# KiCad board panel.opm-inline.kicad_pcb (continued)
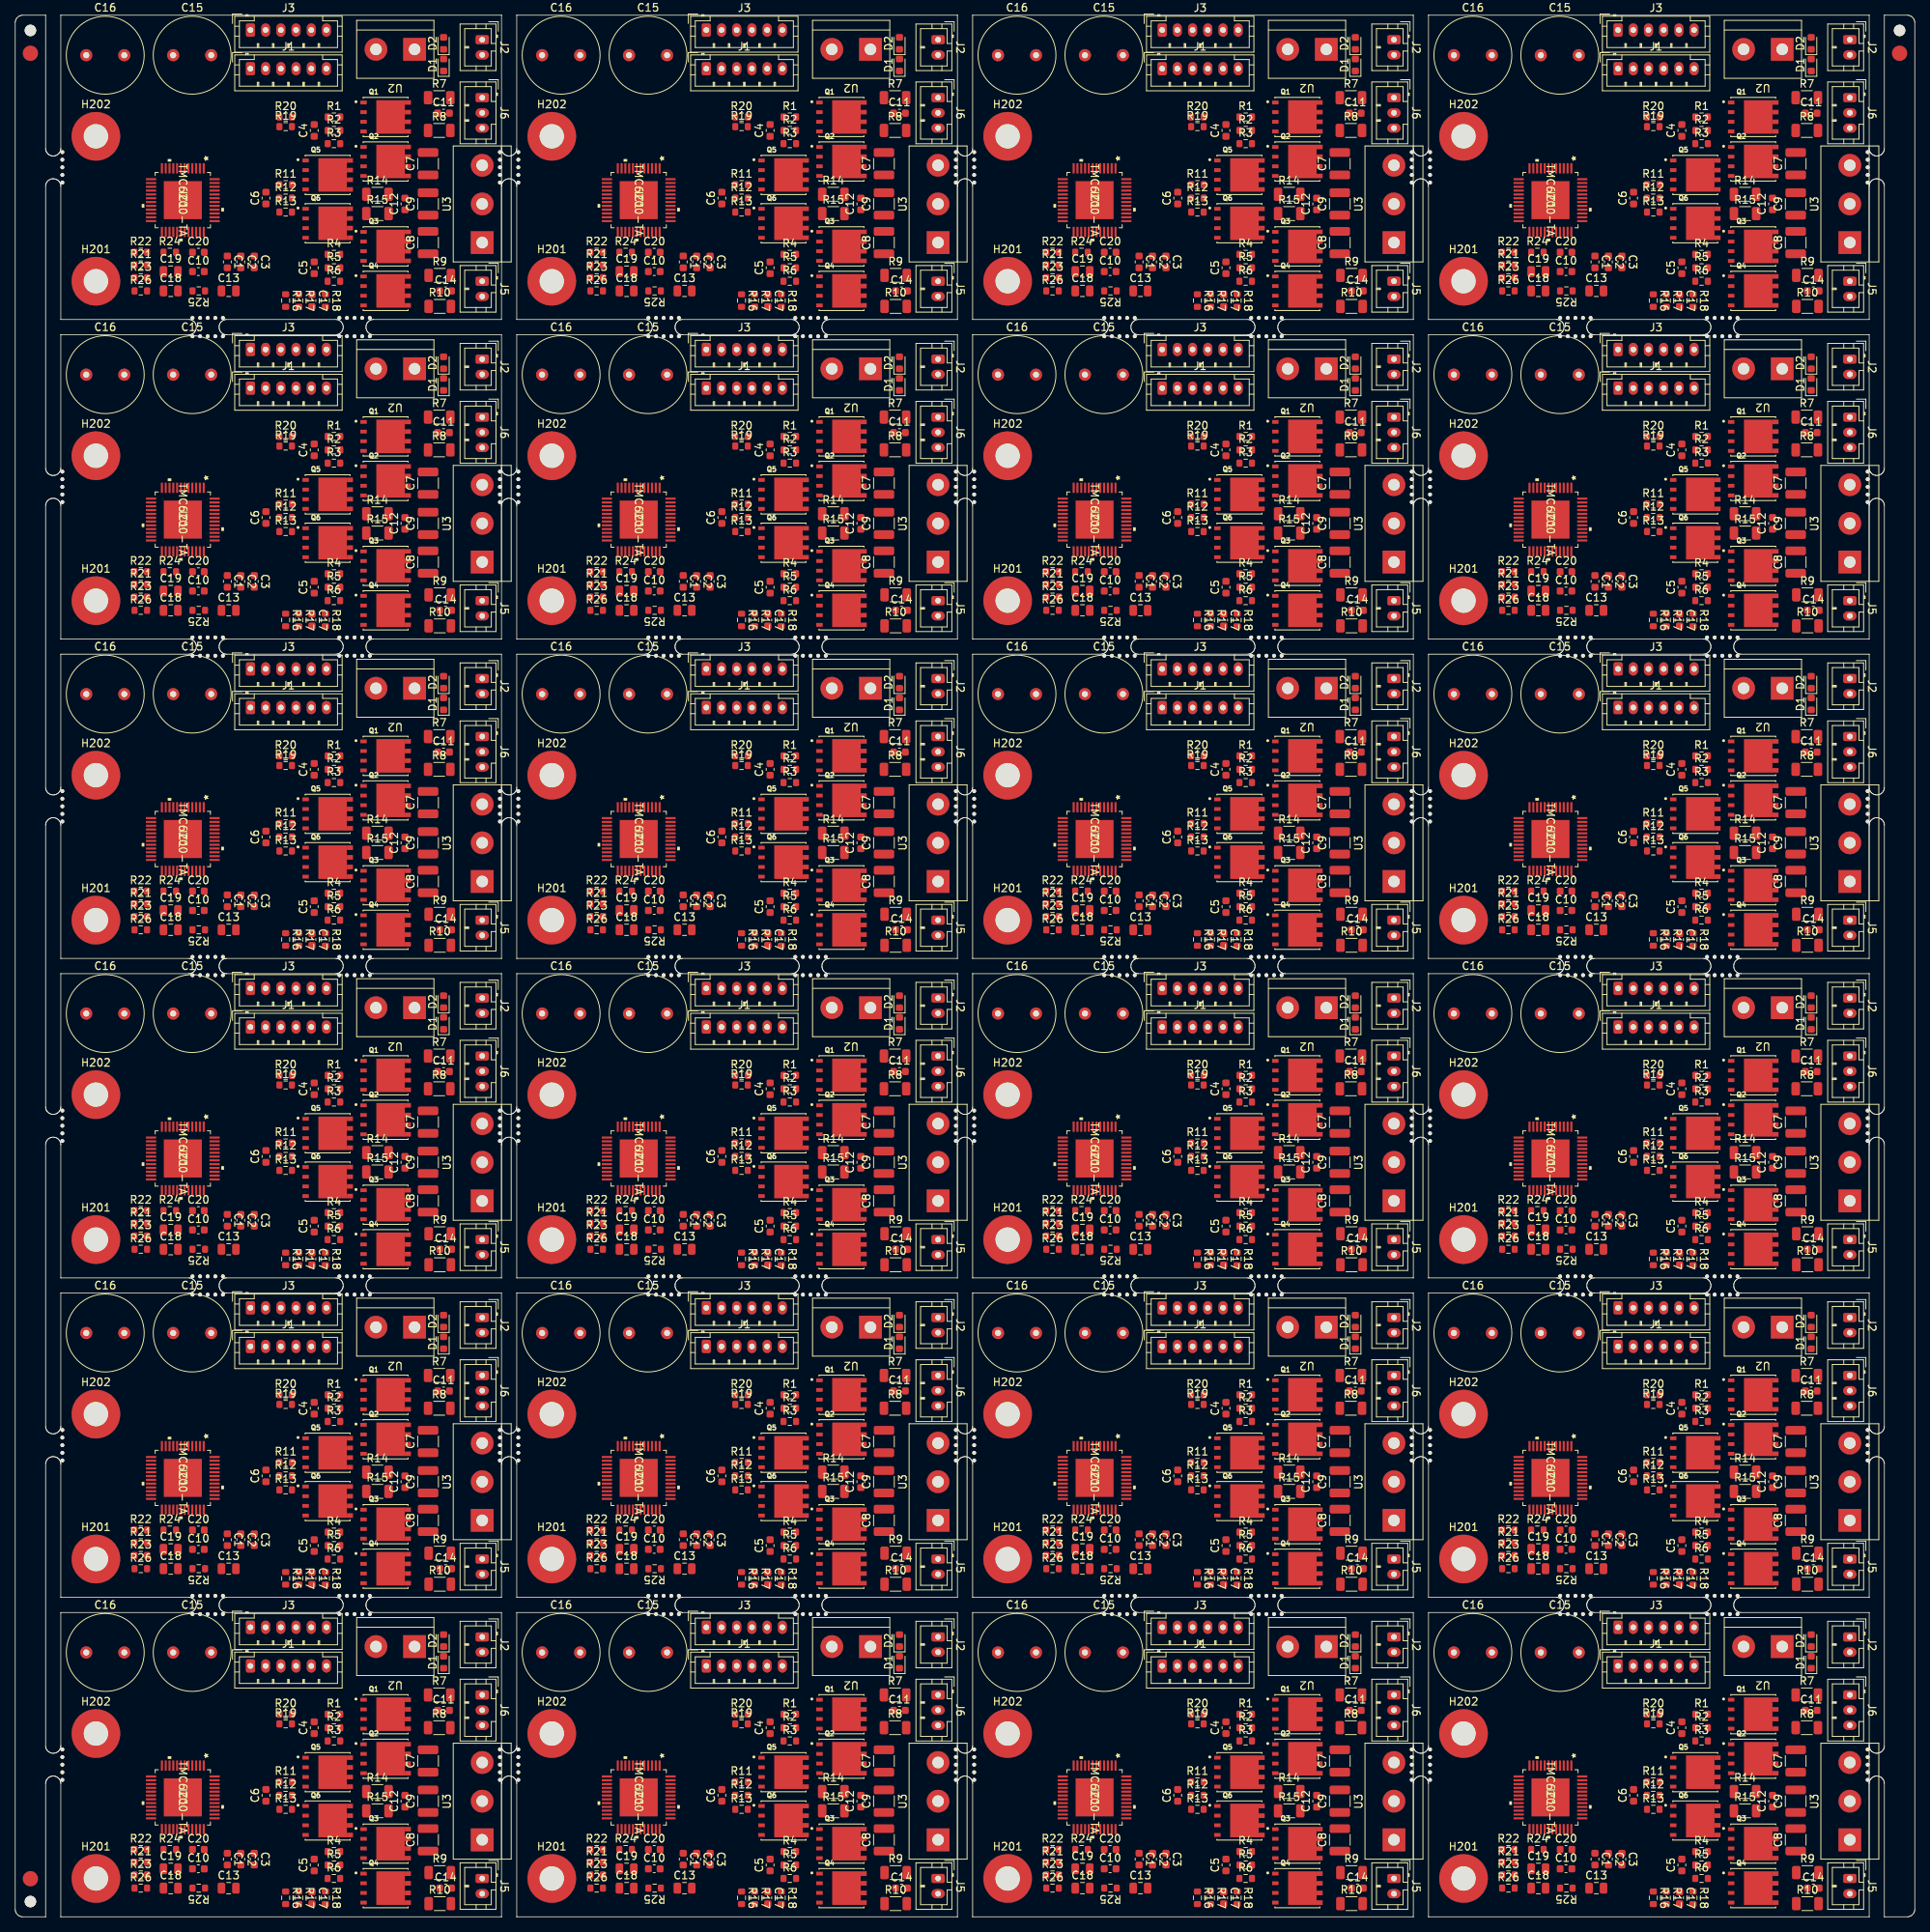
[diagram p0: board, top side]
## Placement (name value [footprint] x y rotation side) (continued)
C13#11  2,2uF/50V  [C_0805_2012Metric]  147.97 129.74 0 top
C13#12  2,2uF/50V  [C_0805_2012Metric]  207.92 129.74 0 top
C13#13  2,2uF/50V  [C_0805_2012Metric]  28.07 87.75 0 top
C13#14  2,2uF/50V  [C_0805_2012Metric]  88.02 87.75 0 top
C13#15  2,2uF/50V  [C_0805_2012Metric]  147.97 87.75 0 top
C13#16  2,2uF/50V  [C_0805_2012Metric]  207.92 87.75 0 top
C13#17  2,2uF/50V  [C_0805_2012Metric]  28.07 45.76 0 top
C13#18  2,2uF/50V  [C_0805_2012Metric]  88.02 45.76 0 top
C13#19  2,2uF/50V  [C_0805_2012Metric]  147.97 45.76 0 top
C13#20  2,2uF/50V  [C_0805_2012Metric]  207.92 45.76 0 top
C13#21  2,2uF/50V  [C_0805_2012Metric]  28.07 3.77 0 top
C13#22  2,2uF/50V  [C_0805_2012Metric]  88.02 3.77 0 top
C13#23  2,2uF/50V  [C_0805_2012Metric]  147.97 3.77 0 top
C13#24  2,2uF/50V  [C_0805_2012Metric]  207.92 3.77 0 top
C14  1nF/100V  [C_0603_1608Metric]  56.61 213.72 0 top
C14#2  1nF/100V  [C_0603_1608Metric]  116.56 213.72 0 top
C14#3  1nF/100V  [C_0603_1608Metric]  176.51 213.72 0 top
C14#4  1nF/100V  [C_0603_1608Metric]  236.46 213.72 0 top
C14#5  1nF/100V  [C_0603_1608Metric]  56.61 171.73 0 top
C14#6  1nF/100V  [C_0603_1608Metric]  116.56 171.73 0 top
C14#7  1nF/100V  [C_0603_1608Metric]  176.51 171.73 0 top
C14#8  1nF/100V  [C_0603_1608Metric]  236.46 171.73 0 top
C14#9  1nF/100V  [C_0603_1608Metric]  56.61 129.74 0 top
C14#10  1nF/100V  [C_0603_1608Metric]  116.56 129.74 0 top
C14#11  1nF/100V  [C_0603_1608Metric]  176.51 129.74 0 top
C14#12  1nF/100V  [C_0603_1608Metric]  236.46 129.74 0 top
C14#13  1nF/100V  [C_0603_1608Metric]  56.61 87.75 0 top
C14#14  1nF/100V  [C_0603_1608Metric]  116.56 87.75 0 top
C14#15  1nF/100V  [C_0603_1608Metric]  176.51 87.75 0 top
C14#16  1nF/100V  [C_0603_1608Metric]  236.46 87.75 0 top
C14#17  1nF/100V  [C_0603_1608Metric]  56.61 45.76 0 top
C14#18  1nF/100V  [C_0603_1608Metric]  116.56 45.76 0 top
C14#19  1nF/100V  [C_0603_1608Metric]  176.51 45.76 0 top
C14#20  1nF/100V  [C_0603_1608Metric]  236.46 45.76 0 top
C14#21  1nF/100V  [C_0603_1608Metric]  56.61 3.77 0 top
C14#22  1nF/100V  [C_0603_1608Metric]  116.56 3.77 0 top
C14#23  1nF/100V  [C_0603_1608Metric]  176.51 3.77 0 top
C14#24  1nF/100V  [C_0603_1608Metric]  236.46 3.77 0 top
C15  330uF/63V  [C_Radial_D10.0mm_H20.0mm_P5.00mm]  20.77 244.7 0 top
C15#2  330uF/63V  [C_Radial_D10.0mm_H20.0mm_P5.00mm]  80.72 244.7 0 top
C15#3  330uF/63V  [C_Radial_D10.0mm_H20.0mm_P5.00mm]  140.67 244.7 0 top
C15#4  330uF/63V  [C_Radial_D10.0mm_H20.0mm_P5.00mm]  200.62 244.7 0 top
C15#5  330uF/63V  [C_Radial_D10.0mm_H20.0mm_P5.00mm]  20.77 202.71 0 top
C15#6  330uF/63V  [C_Radial_D10.0mm_H20.0mm_P5.00mm]  80.72 202.71 0 top
C15#7  330uF/63V  [C_Radial_D10.0mm_H20.0mm_P5.00mm]  140.67 202.71 0 top
C15#8  330uF/63V  [C_Radial_D10.0mm_H20.0mm_P5.00mm]  200.62 202.71 0 top
C15#9  330uF/63V  [C_Radial_D10.0mm_H20.0mm_P5.00mm]  20.77 160.72 0 top
C15#10  330uF/63V  [C_Radial_D10.0mm_H20.0mm_P5.00mm]  80.72 160.72 0 top
C15#11  330uF/63V  [C_Radial_D10.0mm_H20.0mm_P5.00mm]  140.67 160.72 0 top
C15#12  330uF/63V  [C_Radial_D10.0mm_H20.0mm_P5.00mm]  200.62 160.72 0 top
C15#13  330uF/63V  [C_Radial_D10.0mm_H20.0mm_P5.00mm]  20.77 118.73 0 top
C15#14  330uF/63V  [C_Radial_D10.0mm_H20.0mm_P5.00mm]  80.72 118.73 0 top
C15#15  330uF/63V  [C_Radial_D10.0mm_H20.0mm_P5.00mm]  140.67 118.73 0 top
C15#16  330uF/63V  [C_Radial_D10.0mm_H20.0mm_P5.00mm]  200.62 118.73 0 top
C15#17  330uF/63V  [C_Radial_D10.0mm_H20.0mm_P5.00mm]  20.77 76.74 0 top
C15#18  330uF/63V  [C_Radial_D10.0mm_H20.0mm_P5.00mm]  80.72 76.74 0 top
C15#19  330uF/63V  [C_Radial_D10.0mm_H20.0mm_P5.00mm]  140.67 76.74 0 top
C15#20  330uF/63V  [C_Radial_D10.0mm_H20.0mm_P5.00mm]  200.62 76.74 0 top
C15#21  330uF/63V  [C_Radial_D10.0mm_H20.0mm_P5.00mm]  20.77 34.75 0 top
C15#22  330uF/63V  [C_Radial_D10.0mm_H20.0mm_P5.00mm]  80.72 34.75 0 top
C15#23  330uF/63V  [C_Radial_D10.0mm_H20.0mm_P5.00mm]  140.67 34.75 0 top
C15#24  330uF/63V  [C_Radial_D10.0mm_H20.0mm_P5.00mm]  200.62 34.75 0 top
C16  330uF/63V  [C_Radial_D10.0mm_H20.0mm_P5.00mm]  9.34 244.7 0 top
C16#2  330uF/63V  [C_Radial_D10.0mm_H20.0mm_P5.00mm]  69.29 244.7 0 top
C16#3  330uF/63V  [C_Radial_D10.0mm_H20.0mm_P5.00mm]  129.24 244.7 0 top
C16#4  330uF/63V  [C_Radial_D10.0mm_H20.0mm_P5.00mm]  189.19 244.7 0 top
C16#5  330uF/63V  [C_Radial_D10.0mm_H20.0mm_P5.00mm]  9.34 202.71 0 top
C16#6  330uF/63V  [C_Radial_D10.0mm_H20.0mm_P5.00mm]  69.29 202.71 0 top
C16#7  330uF/63V  [C_Radial_D10.0mm_H20.0mm_P5.00mm]  129.24 202.71 0 top
C16#8  330uF/63V  [C_Radial_D10.0mm_H20.0mm_P5.00mm]  189.19 202.71 0 top
C16#9  330uF/63V  [C_Radial_D10.0mm_H20.0mm_P5.00mm]  9.34 160.72 0 top
C16#10  330uF/63V  [C_Radial_D10.0mm_H20.0mm_P5.00mm]  69.29 160.72 0 top
C16#11  330uF/63V  [C_Radial_D10.0mm_H20.0mm_P5.00mm]  129.24 160.72 0 top
C16#12  330uF/63V  [C_Radial_D10.0mm_H20.0mm_P5.00mm]  189.19 160.72 0 top
C16#13  330uF/63V  [C_Radial_D10.0mm_H20.0mm_P5.00mm]  9.34 118.73 0 top
C16#14  330uF/63V  [C_Radial_D10.0mm_H20.0mm_P5.00mm]  69.29 118.73 0 top
C16#15  330uF/63V  [C_Radial_D10.0mm_H20.0mm_P5.00mm]  129.24 118.73 0 top
C16#16  330uF/63V  [C_Radial_D10.0mm_H20.0mm_P5.00mm]  189.19 118.73 0 top
C16#17  330uF/63V  [C_Radial_D10.0mm_H20.0mm_P5.00mm]  9.34 76.74 0 top
C16#18  330uF/63V  [C_Radial_D10.0mm_H20.0mm_P5.00mm]  69.29 76.74 0 top
C16#19  330uF/63V  [C_Radial_D10.0mm_H20.0mm_P5.00mm]  129.24 76.74 0 top
C16#20  330uF/63V  [C_Radial_D10.0mm_H20.0mm_P5.00mm]  189.19 76.74 0 top
C16#21  330uF/63V  [C_Radial_D10.0mm_H20.0mm_P5.00mm]  9.34 34.75 0 top
C16#22  330uF/63V  [C_Radial_D10.0mm_H20.0mm_P5.00mm]  69.29 34.75 0 top
C16#23  330uF/63V  [C_Radial_D10.0mm_H20.0mm_P5.00mm]  129.24 34.75 0 top
C16#24  330uF/63V  [C_Radial_D10.0mm_H20.0mm_P5.00mm]  189.19 34.75 0 top
C17  100nF/50V  [C_0603_1608Metric]  39.02 212.44 270 top
C17#2  100nF/50V  [C_0603_1608Metric]  98.97 212.44 270 top
C17#3  100nF/50V  [C_0603_1608Metric]  158.92 212.44 270 top
C17#4  100nF/50V  [C_0603_1608Metric]  218.87 212.44 270 top
C17#5  100nF/50V  [C_0603_1608Metric]  39.02 170.45 270 top
C17#6  100nF/50V  [C_0603_1608Metric]  98.97 170.45 270 top
C17#7  100nF/50V  [C_0603_1608Metric]  158.92 170.45 270 top
C17#8  100nF/50V  [C_0603_1608Metric]  218.87 170.45 270 top
C17#9  100nF/50V  [C_0603_1608Metric]  39.02 128.46 270 top
C17#10  100nF/50V  [C_0603_1608Metric]  98.97 128.46 270 top
C17#11  100nF/50V  [C_0603_1608Metric]  158.92 128.46 270 top
C17#12  100nF/50V  [C_0603_1608Metric]  218.87 128.46 270 top
C17#13  100nF/50V  [C_0603_1608Metric]  39.02 86.47 270 top
C17#14  100nF/50V  [C_0603_1608Metric]  98.97 86.47 270 top
C17#15  100nF/50V  [C_0603_1608Metric]  158.92 86.47 270 top
C17#16  100nF/50V  [C_0603_1608Metric]  218.87 86.47 270 top
C17#17  100nF/50V  [C_0603_1608Metric]  39.02 44.48 270 top
C17#18  100nF/50V  [C_0603_1608Metric]  98.97 44.48 270 top
C17#19  100nF/50V  [C_0603_1608Metric]  158.92 44.48 270 top
C17#20  100nF/50V  [C_0603_1608Metric]  218.87 44.48 270 top
C17#21  100nF/50V  [C_0603_1608Metric]  39.02 2.49 270 top
C17#22  100nF/50V  [C_0603_1608Metric]  98.97 2.49 270 top
C17#23  100nF/50V  [C_0603_1608Metric]  158.92 2.49 270 top
C17#24  100nF/50V  [C_0603_1608Metric]  218.87 2.49 270 top
C18  100nF/100V  [C_0805_2012Metric]  20.45 213.72 0 top
C18#2  100nF/100V  [C_0805_2012Metric]  80.4 213.72 0 top
C18#3  100nF/100V  [C_0805_2012Metric]  140.35 213.72 0 top
C18#4  100nF/100V  [C_0805_2012Metric]  200.3 213.72 0 top
C18#5  100nF/100V  [C_0805_2012Metric]  20.45 171.73 0 top
C18#6  100nF/100V  [C_0805_2012Metric]  80.4 171.73 0 top
C18#7  100nF/100V  [C_0805_2012Metric]  140.35 171.73 0 top
C18#8  100nF/100V  [C_0805_2012Metric]  200.3 171.73 0 top
C18#9  100nF/100V  [C_0805_2012Metric]  20.45 129.74 0 top
C18#10  100nF/100V  [C_0805_2012Metric]  80.4 129.74 0 top
C18#11  100nF/100V  [C_0805_2012Metric]  140.35 129.74 0 top
C18#12  100nF/100V  [C_0805_2012Metric]  200.3 129.74 0 top
C18#13  100nF/100V  [C_0805_2012Metric]  20.45 87.75 0 top
C18#14  100nF/100V  [C_0805_2012Metric]  80.4 87.75 0 top
C18#15  100nF/100V  [C_0805_2012Metric]  140.35 87.75 0 top
C18#16  100nF/100V  [C_0805_2012Metric]  200.3 87.75 0 top
C18#17  100nF/100V  [C_0805_2012Metric]  20.45 45.76 0 top
C18#18  100nF/100V  [C_0805_2012Metric]  80.4 45.76 0 top
C18#19  100nF/100V  [C_0805_2012Metric]  140.35 45.76 0 top
C18#20  100nF/100V  [C_0805_2012Metric]  200.3 45.76 0 top
C18#21  100nF/100V  [C_0805_2012Metric]  20.45 3.77 0 top
C18#22  100nF/100V  [C_0805_2012Metric]  80.4 3.77 0 top
C18#23  100nF/100V  [C_0805_2012Metric]  140.35 3.77 0 top
C18#24  100nF/100V  [C_0805_2012Metric]  200.3 3.77 0 top
C19  2,2uF/50V  [C_0805_2012Metric]  20.45 216.26 0 top
C19#2  2,2uF/50V  [C_0805_2012Metric]  80.4 216.26 0 top
C19#3  2,2uF/50V  [C_0805_2012Metric]  140.35 216.26 0 top
C19#4  2,2uF/50V  [C_0805_2012Metric]  200.3 216.26 0 top
C19#5  2,2uF/50V  [C_0805_2012Metric]  20.45 174.27 0 top
C19#6  2,2uF/50V  [C_0805_2012Metric]  80.4 174.27 0 top
C19#7  2,2uF/50V  [C_0805_2012Metric]  140.35 174.27 0 top
C19#8  2,2uF/50V  [C_0805_2012Metric]  200.3 174.27 0 top
C19#9  2,2uF/50V  [C_0805_2012Metric]  20.45 132.28 0 top
C19#10  2,2uF/50V  [C_0805_2012Metric]  80.4 132.28 0 top
C19#11  2,2uF/50V  [C_0805_2012Metric]  140.35 132.28 0 top
C19#12  2,2uF/50V  [C_0805_2012Metric]  200.3 132.28 0 top
C19#13  2,2uF/50V  [C_0805_2012Metric]  20.45 90.29 0 top
C19#14  2,2uF/50V  [C_0805_2012Metric]  80.4 90.29 0 top
C19#15  2,2uF/50V  [C_0805_2012Metric]  140.35 90.29 0 top
C19#16  2,2uF/50V  [C_0805_2012Metric]  200.3 90.29 0 top
C19#17  2,2uF/50V  [C_0805_2012Metric]  20.45 48.3 0 top
C19#18  2,2uF/50V  [C_0805_2012Metric]  80.4 48.3 0 top
C19#19  2,2uF/50V  [C_0805_2012Metric]  140.35 48.3 0 top
C19#20  2,2uF/50V  [C_0805_2012Metric]  200.3 48.3 0 top
C19#21  2,2uF/50V  [C_0805_2012Metric]  20.45 6.31 0 top
C19#22  2,2uF/50V  [C_0805_2012Metric]  80.4 6.31 0 top
C19#23  2,2uF/50V  [C_0805_2012Metric]  140.35 6.31 0 top
C19#24  2,2uF/50V  [C_0805_2012Metric]  200.3 6.31 0 top
C20  100nF/50V  [C_0603_1608Metric]  24.09 218.8 0 top
C20#2  100nF/50V  [C_0603_1608Metric]  84.04 218.8 0 top
C20#3  100nF/50V  [C_0603_1608Metric]  143.99 218.8 0 top
C20#4  100nF/50V  [C_0603_1608Metric]  203.94 218.8 0 top
C20#5  100nF/50V  [C_0603_1608Metric]  24.09 176.81 0 top
C20#6  100nF/50V  [C_0603_1608Metric]  84.04 176.81 0 top
C20#7  100nF/50V  [C_0603_1608Metric]  143.99 176.81 0 top
C20#8  100nF/50V  [C_0603_1608Metric]  203.94 176.81 0 top
C20#9  100nF/50V  [C_0603_1608Metric]  24.09 134.82 0 top
C20#10  100nF/50V  [C_0603_1608Metric]  84.04 134.82 0 top
C20#11  100nF/50V  [C_0603_1608Metric]  143.99 134.82 0 top
C20#12  100nF/50V  [C_0603_1608Metric]  203.94 134.82 0 top
C20#13  100nF/50V  [C_0603_1608Metric]  24.09 92.83 0 top
C20#14  100nF/50V  [C_0603_1608Metric]  84.04 92.83 0 top
C20#15  100nF/50V  [C_0603_1608Metric]  143.99 92.83 0 top
C20#16  100nF/50V  [C_0603_1608Metric]  203.94 92.83 0 top
C20#17  100nF/50V  [C_0603_1608Metric]  24.09 50.84 0 top
C20#18  100nF/50V  [C_0603_1608Metric]  84.04 50.84 0 top
C20#19  100nF/50V  [C_0603_1608Metric]  143.99 50.84 0 top
C20#20  100nF/50V  [C_0603_1608Metric]  203.94 50.84 0 top
C20#21  100nF/50V  [C_0603_1608Metric]  24.09 8.85 0 top
C20#22  100nF/50V  [C_0603_1608Metric]  84.04 8.85 0 top
C20#23  100nF/50V  [C_0603_1608Metric]  143.99 8.85 0 top
C20#24  100nF/50V  [C_0603_1608Metric]  203.94 8.85 0 top
D1  19-217/GHC-YR1S2/3T  [LED_0603_1608Metric]  56.33 243.41 90 top
D1#2  19-217/GHC-YR1S2/3T  [LED_0603_1608Metric]  116.28 243.41 90 top
D1#3  19-217/GHC-YR1S2/3T  [LED_0603_1608Metric]  176.23 243.41 90 top
D1#4  19-217/GHC-YR1S2/3T  [LED_0603_1608Metric]  236.18 243.41 90 top
D1#5  19-217/GHC-YR1S2/3T  [LED_0603_1608Metric]  56.33 201.42 90 top
D1#6  19-217/GHC-YR1S2/3T  [LED_0603_1608Metric]  116.28 201.42 90 top
D1#7  19-217/GHC-YR1S2/3T  [LED_0603_1608Metric]  176.23 201.42 90 top
D1#8  19-217/GHC-YR1S2/3T  [LED_0603_1608Metric]  236.18 201.42 90 top
D1#9  19-217/GHC-YR1S2/3T  [LED_0603_1608Metric]  56.33 159.43 90 top
D1#10  19-217/GHC-YR1S2/3T  [LED_0603_1608Metric]  116.28 159.43 90 top
D1#11  19-217/GHC-YR1S2/3T  [LED_0603_1608Metric]  176.23 159.43 90 top
D1#12  19-217/GHC-YR1S2/3T  [LED_0603_1608Metric]  236.18 159.43 90 top
D1#13  19-217/GHC-YR1S2/3T  [LED_0603_1608Metric]  56.33 117.44 90 top
D1#14  19-217/GHC-YR1S2/3T  [LED_0603_1608Metric]  116.28 117.44 90 top
D1#15  19-217/GHC-YR1S2/3T  [LED_0603_1608Metric]  176.23 117.44 90 top
D1#16  19-217/GHC-YR1S2/3T  [LED_0603_1608Metric]  236.18 117.44 90 top
D1#17  19-217/GHC-YR1S2/3T  [LED_0603_1608Metric]  56.33 75.45 90 top
D1#18  19-217/GHC-YR1S2/3T  [LED_0603_1608Metric]  116.28 75.45 90 top
D1#19  19-217/GHC-YR1S2/3T  [LED_0603_1608Metric]  176.23 75.45 90 top
D1#20  19-217/GHC-YR1S2/3T  [LED_0603_1608Metric]  236.18 75.45 90 top
D1#21  19-217/GHC-YR1S2/3T  [LED_0603_1608Metric]  56.33 33.46 90 top
D1#22  19-217/GHC-YR1S2/3T  [LED_0603_1608Metric]  116.28 33.46 90 top
D1#23  19-217/GHC-YR1S2/3T  [LED_0603_1608Metric]  176.23 33.46 90 top
D1#24  19-217/GHC-YR1S2/3T  [LED_0603_1608Metric]  236.18 33.46 90 top
D2  19-217/GHC-YR1S2/3T  [LED_0603_1608Metric]  56.33 246.25 90 top
D2#2  19-217/GHC-YR1S2/3T  [LED_0603_1608Metric]  116.28 246.25 90 top
D2#3  19-217/GHC-YR1S2/3T  [LED_0603_1608Metric]  176.23 246.25 90 top
D2#4  19-217/GHC-YR1S2/3T  [LED_0603_1608Metric]  236.18 246.25 90 top
D2#5  19-217/GHC-YR1S2/3T  [LED_0603_1608Metric]  56.33 204.26 90 top
D2#6  19-217/GHC-YR1S2/3T  [LED_0603_1608Metric]  116.28 204.26 90 top
D2#7  19-217/GHC-YR1S2/3T  [LED_0603_1608Metric]  176.23 204.26 90 top
D2#8  19-217/GHC-YR1S2/3T  [LED_0603_1608Metric]  236.18 204.26 90 top
D2#9  19-217/GHC-YR1S2/3T  [LED_0603_1608Metric]  56.33 162.27 90 top
D2#10  19-217/GHC-YR1S2/3T  [LED_0603_1608Metric]  116.28 162.27 90 top
D2#11  19-217/GHC-YR1S2/3T  [LED_0603_1608Metric]  176.23 162.27 90 top
D2#12  19-217/GHC-YR1S2/3T  [LED_0603_1608Metric]  236.18 162.27 90 top
D2#13  19-217/GHC-YR1S2/3T  [LED_0603_1608Metric]  56.33 120.28 90 top
D2#14  19-217/GHC-YR1S2/3T  [LED_0603_1608Metric]  116.28 120.28 90 top
D2#15  19-217/GHC-YR1S2/3T  [LED_0603_1608Metric]  176.23 120.28 90 top
D2#16  19-217/GHC-YR1S2/3T  [LED_0603_1608Metric]  236.18 120.28 90 top
D2#17  19-217/GHC-YR1S2/3T  [LED_0603_1608Metric]  56.33 78.29 90 top
D2#18  19-217/GHC-YR1S2/3T  [LED_0603_1608Metric]  116.28 78.29 90 top
D2#19  19-217/GHC-YR1S2/3T  [LED_0603_1608Metric]  176.23 78.29 90 top
D2#20  19-217/GHC-YR1S2/3T  [LED_0603_1608Metric]  236.18 78.29 90 top
D2#21  19-217/GHC-YR1S2/3T  [LED_0603_1608Metric]  56.33 36.3 90 top
D2#22  19-217/GHC-YR1S2/3T  [LED_0603_1608Metric]  116.28 36.3 90 top
D2#23  19-217/GHC-YR1S2/3T  [LED_0603_1608Metric]  176.23 36.3 90 top
D2#24  19-217/GHC-YR1S2/3T  [LED_0603_1608Metric]  236.18 36.3 90 top
H201  MountingHole  [MountingHole_3.2mm_M3_Pad]  10.61 214.99 0 top
H201#2  MountingHole  [MountingHole_3.2mm_M3_Pad]  70.56 214.99 0 top
H201#3  MountingHole  [MountingHole_3.2mm_M3_Pad]  130.51 214.99 0 top
H201#4  MountingHole  [MountingHole_3.2mm_M3_Pad]  190.46 214.99 0 top
H201#5  MountingHole  [MountingHole_3.2mm_M3_Pad]  10.61 173 0 top
H201#6  MountingHole  [MountingHole_3.2mm_M3_Pad]  70.56 173 0 top
H201#7  MountingHole  [MountingHole_3.2mm_M3_Pad]  130.51 173 0 top
H201#8  MountingHole  [MountingHole_3.2mm_M3_Pad]  190.46 173 0 top
H201#9  MountingHole  [MountingHole_3.2mm_M3_Pad]  10.61 131.01 0 top
H201#10  MountingHole  [MountingHole_3.2mm_M3_Pad]  70.56 131.01 0 top
H201#11  MountingHole  [MountingHole_3.2mm_M3_Pad]  130.51 131.01 0 top
H201#12  MountingHole  [MountingHole_3.2mm_M3_Pad]  190.46 131.01 0 top
H201#13  MountingHole  [MountingHole_3.2mm_M3_Pad]  10.61 89.02 0 top
H201#14  MountingHole  [MountingHole_3.2mm_M3_Pad]  70.56 89.02 0 top
H201#15  MountingHole  [MountingHole_3.2mm_M3_Pad]  130.51 89.02 0 top
H201#16  MountingHole  [MountingHole_3.2mm_M3_Pad]  190.46 89.02 0 top
H201#17  MountingHole  [MountingHole_3.2mm_M3_Pad]  10.61 47.03 0 top
H201#18  MountingHole  [MountingHole_3.2mm_M3_Pad]  70.56 47.03 0 top
H201#19  MountingHole  [MountingHole_3.2mm_M3_Pad]  130.51 47.03 0 top
H201#20  MountingHole  [MountingHole_3.2mm_M3_Pad]  190.46 47.03 0 top
H201#21  MountingHole  [MountingHole_3.2mm_M3_Pad]  10.61 5.04 0 top
H201#22  MountingHole  [MountingHole_3.2mm_M3_Pad]  70.56 5.04 0 top
H201#23  MountingHole  [MountingHole_3.2mm_M3_Pad]  130.51 5.04 0 top
H201#24  MountingHole  [MountingHole_3.2mm_M3_Pad]  190.46 5.04 0 top
H202  MountingHole  [MountingHole_3.2mm_M3_Pad]  10.61 234.04 0 top
H202#2  MountingHole  [MountingHole_3.2mm_M3_Pad]  70.56 234.04 0 top
H202#3  MountingHole  [MountingHole_3.2mm_M3_Pad]  130.51 234.04 0 top
H202#4  MountingHole  [MountingHole_3.2mm_M3_Pad]  190.46 234.04 0 top
H202#5  MountingHole  [MountingHole_3.2mm_M3_Pad]  10.61 192.05 0 top
H202#6  MountingHole  [MountingHole_3.2mm_M3_Pad]  70.56 192.05 0 top
H202#7  MountingHole  [MountingHole_3.2mm_M3_Pad]  130.51 192.05 0 top
H202#8  MountingHole  [MountingHole_3.2mm_M3_Pad]  190.46 192.05 0 top
H202#9  MountingHole  [MountingHole_3.2mm_M3_Pad]  10.61 150.06 0 top
H202#10  MountingHole  [MountingHole_3.2mm_M3_Pad]  70.56 150.06 0 top
H202#11  MountingHole  [MountingHole_3.2mm_M3_Pad]  130.51 150.06 0 top
H202#12  MountingHole  [MountingHole_3.2mm_M3_Pad]  190.46 150.06 0 top
H202#13  MountingHole  [MountingHole_3.2mm_M3_Pad]  10.61 108.07 0 top
H202#14  MountingHole  [MountingHole_3.2mm_M3_Pad]  70.56 108.07 0 top
H202#15  MountingHole  [MountingHole_3.2mm_M3_Pad]  130.51 108.07 0 top
H202#16  MountingHole  [MountingHole_3.2mm_M3_Pad]  190.46 108.07 0 top
H202#17  MountingHole  [MountingHole_3.2mm_M3_Pad]  10.61 66.08 0 top
H202#18  MountingHole  [MountingHole_3.2mm_M3_Pad]  70.56 66.08 0 top
H202#19  MountingHole  [MountingHole_3.2mm_M3_Pad]  130.51 66.08 0 top
H202#20  MountingHole  [MountingHole_3.2mm_M3_Pad]  190.46 66.08 0 top
H202#21  MountingHole  [MountingHole_3.2mm_M3_Pad]  10.61 24.09 0 top
H202#22  MountingHole  [MountingHole_3.2mm_M3_Pad]  70.56 24.09 0 top
H202#23  MountingHole  [MountingHole_3.2mm_M3_Pad]  130.51 24.09 0 top
H202#24  MountingHole  [MountingHole_3.2mm_M3_Pad]  190.46 24.09 0 top
IC1  -  [TMC6200-TA]  22.04 225.65 270 top
IC1#2  -  [TMC6200-TA]  81.99 225.65 270 top
IC1#3  -  [TMC6200-TA]  141.94 225.65 270 top
IC1#4  -  [TMC6200-TA]  201.89 225.65 270 top
IC1#5  -  [TMC6200-TA]  22.04 183.66 270 top
IC1#6  -  [TMC6200-TA]  81.99 183.66 270 top
IC1#7  -  [TMC6200-TA]  141.94 183.66 270 top
IC1#8  -  [TMC6200-TA]  201.89 183.66 270 top
IC1#9  -  [TMC6200-TA]  22.04 141.67 270 top
IC1#10  -  [TMC6200-TA]  81.99 141.67 270 top
IC1#11  -  [TMC6200-TA]  141.94 141.67 270 top
IC1#12  -  [TMC6200-TA]  201.89 141.67 270 top
IC1#13  -  [TMC6200-TA]  22.04 99.68 270 top
IC1#14  -  [TMC6200-TA]  81.99 99.68 270 top
IC1#15  -  [TMC6200-TA]  141.94 99.68 270 top
IC1#16  -  [TMC6200-TA]  201.89 99.68 270 top
IC1#17  -  [TMC6200-TA]  22.04 57.69 270 top
IC1#18  -  [TMC6200-TA]  81.99 57.69 270 top
IC1#19  -  [TMC6200-TA]  141.94 57.69 270 top
IC1#20  -  [TMC6200-TA]  201.89 57.69 270 top
IC1#21  -  [TMC6200-TA]  22.04 15.7 270 top
IC1#22  -  [TMC6200-TA]  81.99 15.7 270 top
IC1#23  -  [TMC6200-TA]  141.94 15.7 270 top
IC1#24  -  [TMC6200-TA]  201.89 15.7 270 top
J1  SPI/Info  [JST_PH_B6B-PH-K_1x06_P2.00mm_Vertical]  30.93 242.93 0 top
J1#2  SPI/Info  [JST_PH_B6B-PH-K_1x06_P2.00mm_Vertical]  90.88 242.93 0 top
J1#3  SPI/Info  [JST_PH_B6B-PH-K_1x06_P2.00mm_Vertical]  150.83 242.93 0 top
J1#4  SPI/Info  [JST_PH_B6B-PH-K_1x06_P2.00mm_Vertical]  210.78 242.93 0 top
J1#5  SPI/Info  [JST_PH_B6B-PH-K_1x06_P2.00mm_Vertical]  30.93 200.94 0 top
J1#6  SPI/Info  [JST_PH_B6B-PH-K_1x06_P2.00mm_Vertical]  90.88 200.94 0 top
J1#7  SPI/Info  [JST_PH_B6B-PH-K_1x06_P2.00mm_Vertical]  150.83 200.94 0 top
J1#8  SPI/Info  [JST_PH_B6B-PH-K_1x06_P2.00mm_Vertical]  210.78 200.94 0 top
J1#9  SPI/Info  [JST_PH_B6B-PH-K_1x06_P2.00mm_Vertical]  30.93 158.95 0 top
J1#10  SPI/Info  [JST_PH_B6B-PH-K_1x06_P2.00mm_Vertical]  90.88 158.95 0 top
J1#11  SPI/Info  [JST_PH_B6B-PH-K_1x06_P2.00mm_Vertical]  150.83 158.95 0 top
J1#12  SPI/Info  [JST_PH_B6B-PH-K_1x06_P2.00mm_Vertical]  210.78 158.95 0 top
J1#13  SPI/Info  [JST_PH_B6B-PH-K_1x06_P2.00mm_Vertical]  30.93 116.96 0 top
J1#14  SPI/Info  [JST_PH_B6B-PH-K_1x06_P2.00mm_Vertical]  90.88 116.96 0 top
J1#15  SPI/Info  [JST_PH_B6B-PH-K_1x06_P2.00mm_Vertical]  150.83 116.96 0 top
J1#16  SPI/Info  [JST_PH_B6B-PH-K_1x06_P2.00mm_Vertical]  210.78 116.96 0 top
J1#17  SPI/Info  [JST_PH_B6B-PH-K_1x06_P2.00mm_Vertical]  30.93 74.97 0 top
J1#18  SPI/Info  [JST_PH_B6B-PH-K_1x06_P2.00mm_Vertical]  90.88 74.97 0 top
J1#19  SPI/Info  [JST_PH_B6B-PH-K_1x06_P2.00mm_Vertical]  150.83 74.97 0 top
J1#20  SPI/Info  [JST_PH_B6B-PH-K_1x06_P2.00mm_Vertical]  210.78 74.97 0 top
J1#21  SPI/Info  [JST_PH_B6B-PH-K_1x06_P2.00mm_Vertical]  30.93 32.98 0 top
J1#22  SPI/Info  [JST_PH_B6B-PH-K_1x06_P2.00mm_Vertical]  90.88 32.98 0 top
J1#23  SPI/Info  [JST_PH_B6B-PH-K_1x06_P2.00mm_Vertical]  150.83 32.98 0 top
J1#24  SPI/Info  [JST_PH_B6B-PH-K_1x06_P2.00mm_Vertical]  210.78 32.98 0 top
J2  VCC_IO  [JST_PH_B2B-PH-K_1x02_P2.00mm_Vertical]  61.41 246.74 270 top
J2#2  VCC_IO  [JST_PH_B2B-PH-K_1x02_P2.00mm_Vertical]  121.36 246.74 270 top
J2#3  VCC_IO  [JST_PH_B2B-PH-K_1x02_P2.00mm_Vertical]  181.31 246.74 270 top
J2#4  VCC_IO  [JST_PH_B2B-PH-K_1x02_P2.00mm_Vertical]  241.26 246.74 270 top
J2#5  VCC_IO  [JST_PH_B2B-PH-K_1x02_P2.00mm_Vertical]  61.41 204.75 270 top
J2#6  VCC_IO  [JST_PH_B2B-PH-K_1x02_P2.00mm_Vertical]  121.36 204.75 270 top
J2#7  VCC_IO  [JST_PH_B2B-PH-K_1x02_P2.00mm_Vertical]  181.31 204.75 270 top
J2#8  VCC_IO  [JST_PH_B2B-PH-K_1x02_P2.00mm_Vertical]  241.26 204.75 270 top
J2#9  VCC_IO  [JST_PH_B2B-PH-K_1x02_P2.00mm_Vertical]  61.41 162.76 270 top
J2#10  VCC_IO  [JST_PH_B2B-PH-K_1x02_P2.00mm_Vertical]  121.36 162.76 270 top
J2#11  VCC_IO  [JST_PH_B2B-PH-K_1x02_P2.00mm_Vertical]  181.31 162.76 270 top
J2#12  VCC_IO  [JST_PH_B2B-PH-K_1x02_P2.00mm_Vertical]  241.26 162.76 270 top
J2#13  VCC_IO  [JST_PH_B2B-PH-K_1x02_P2.00mm_Vertical]  61.41 120.77 270 top
J2#14  VCC_IO  [JST_PH_B2B-PH-K_1x02_P2.00mm_Vertical]  121.36 120.77 270 top
J2#15  VCC_IO  [JST_PH_B2B-PH-K_1x02_P2.00mm_Vertical]  181.31 120.77 270 top
J2#16  VCC_IO  [JST_PH_B2B-PH-K_1x02_P2.00mm_Vertical]  241.26 120.77 270 top
J2#17  VCC_IO  [JST_PH_B2B-PH-K_1x02_P2.00mm_Vertical]  61.41 78.78 270 top
J2#18  VCC_IO  [JST_PH_B2B-PH-K_1x02_P2.00mm_Vertical]  121.36 78.78 270 top
J2#19  VCC_IO  [JST_PH_B2B-PH-K_1x02_P2.00mm_Vertical]  181.31 78.78 270 top
J2#20  VCC_IO  [JST_PH_B2B-PH-K_1x02_P2.00mm_Vertical]  241.26 78.78 270 top
J2#21  VCC_IO  [JST_PH_B2B-PH-K_1x02_P2.00mm_Vertical]  61.41 36.79 270 top
J2#22  VCC_IO  [JST_PH_B2B-PH-K_1x02_P2.00mm_Vertical]  121.36 36.79 270 top
J2#23  VCC_IO  [JST_PH_B2B-PH-K_1x02_P2.00mm_Vertical]  181.31 36.79 270 top
J2#24  VCC_IO  [JST_PH_B2B-PH-K_1x02_P2.00mm_Vertical]  241.26 36.79 270 top
J3  PWMx6  [JST_PH_B6B-PH-K_1x06_P2.00mm_Vertical]  30.93 248.01 0 top
J3#2  PWMx6  [JST_PH_B6B-PH-K_1x06_P2.00mm_Vertical]  90.88 248.01 0 top
J3#3  PWMx6  [JST_PH_B6B-PH-K_1x06_P2.00mm_Vertical]  150.83 248.01 0 top
J3#4  PWMx6  [JST_PH_B6B-PH-K_1x06_P2.00mm_Vertical]  210.78 248.01 0 top
J3#5  PWMx6  [JST_PH_B6B-PH-K_1x06_P2.00mm_Vertical]  30.93 206.02 0 top
J3#6  PWMx6  [JST_PH_B6B-PH-K_1x06_P2.00mm_Vertical]  90.88 206.02 0 top
J3#7  PWMx6  [JST_PH_B6B-PH-K_1x06_P2.00mm_Vertical]  150.83 206.02 0 top
J3#8  PWMx6  [JST_PH_B6B-PH-K_1x06_P2.00mm_Vertical]  210.78 206.02 0 top
J3#9  PWMx6  [JST_PH_B6B-PH-K_1x06_P2.00mm_Vertical]  30.93 164.03 0 top
J3#10  PWMx6  [JST_PH_B6B-PH-K_1x06_P2.00mm_Vertical]  90.88 164.03 0 top
J3#11  PWMx6  [JST_PH_B6B-PH-K_1x06_P2.00mm_Vertical]  150.83 164.03 0 top
J3#12  PWMx6  [JST_PH_B6B-PH-K_1x06_P2.00mm_Vertical]  210.78 164.03 0 top
J3#13  PWMx6  [JST_PH_B6B-PH-K_1x06_P2.00mm_Vertical]  30.93 122.04 0 top
J3#14  PWMx6  [JST_PH_B6B-PH-K_1x06_P2.00mm_Vertical]  90.88 122.04 0 top
J3#15  PWMx6  [JST_PH_B6B-PH-K_1x06_P2.00mm_Vertical]  150.83 122.04 0 top
J3#16  PWMx6  [JST_PH_B6B-PH-K_1x06_P2.00mm_Vertical]  210.78 122.04 0 top
J3#17  PWMx6  [JST_PH_B6B-PH-K_1x06_P2.00mm_Vertical]  30.93 80.05 0 top
J3#18  PWMx6  [JST_PH_B6B-PH-K_1x06_P2.00mm_Vertical]  90.88 80.05 0 top
J3#19  PWMx6  [JST_PH_B6B-PH-K_1x06_P2.00mm_Vertical]  150.83 80.05 0 top
J3#20  PWMx6  [JST_PH_B6B-PH-K_1x06_P2.00mm_Vertical]  210.78 80.05 0 top
J3#21  PWMx6  [JST_PH_B6B-PH-K_1x06_P2.00mm_Vertical]  30.93 38.06 0 top
J3#22  PWMx6  [JST_PH_B6B-PH-K_1x06_P2.00mm_Vertical]  90.88 38.06 0 top
J3#23  PWMx6  [JST_PH_B6B-PH-K_1x06_P2.00mm_Vertical]  150.83 38.06 0 top
J3#24  PWMx6  [JST_PH_B6B-PH-K_1x06_P2.00mm_Vertical]  210.78 38.06 0 top
J5  Temperature  [JST_PH_B2B-PH-K_1x02_P2.00mm_Vertical]  61.41 214.99 270 top
J5#2  Temperature  [JST_PH_B2B-PH-K_1x02_P2.00mm_Vertical]  121.36 214.99 270 top
J5#3  Temperature  [JST_PH_B2B-PH-K_1x02_P2.00mm_Vertical]  181.31 214.99 270 top
J5#4  Temperature  [JST_PH_B2B-PH-K_1x02_P2.00mm_Vertical]  241.26 214.99 270 top
J5#5  Temperature  [JST_PH_B2B-PH-K_1x02_P2.00mm_Vertical]  61.41 173 270 top
J5#6  Temperature  [JST_PH_B2B-PH-K_1x02_P2.00mm_Vertical]  121.36 173 270 top
J5#7  Temperature  [JST_PH_B2B-PH-K_1x02_P2.00mm_Vertical]  181.31 173 270 top
J5#8  Temperature  [JST_PH_B2B-PH-K_1x02_P2.00mm_Vertical]  241.26 173 270 top
J5#9  Temperature  [JST_PH_B2B-PH-K_1x02_P2.00mm_Vertical]  61.41 131.01 270 top
J5#10  Temperature  [JST_PH_B2B-PH-K_1x02_P2.00mm_Vertical]  121.36 131.01 270 top
J5#11  Temperature  [JST_PH_B2B-PH-K_1x02_P2.00mm_Vertical]  181.31 131.01 270 top
J5#12  Temperature  [JST_PH_B2B-PH-K_1x02_P2.00mm_Vertical]  241.26 131.01 270 top
J5#13  Temperature  [JST_PH_B2B-PH-K_1x02_P2.00mm_Vertical]  61.41 89.02 270 top
J5#14  Temperature  [JST_PH_B2B-PH-K_1x02_P2.00mm_Vertical]  121.36 89.02 270 top
J5#15  Temperature  [JST_PH_B2B-PH-K_1x02_P2.00mm_Vertical]  181.31 89.02 270 top
J5#16  Temperature  [JST_PH_B2B-PH-K_1x02_P2.00mm_Vertical]  241.26 89.02 270 top
J5#17  Temperature  [JST_PH_B2B-PH-K_1x02_P2.00mm_Vertical]  61.41 47.03 270 top
J5#18  Temperature  [JST_PH_B2B-PH-K_1x02_P2.00mm_Vertical]  121.36 47.03 270 top
J5#19  Temperature  [JST_PH_B2B-PH-K_1x02_P2.00mm_Vertical]  181.31 47.03 270 top
J5#20  Temperature  [JST_PH_B2B-PH-K_1x02_P2.00mm_Vertical]  241.26 47.03 270 top
J5#21  Temperature  [JST_PH_B2B-PH-K_1x02_P2.00mm_Vertical]  61.41 5.04 270 top
J5#22  Temperature  [JST_PH_B2B-PH-K_1x02_P2.00mm_Vertical]  121.36 5.04 270 top
J5#23  Temperature  [JST_PH_B2B-PH-K_1x02_P2.00mm_Vertical]  181.31 5.04 270 top
J5#24  Temperature  [JST_PH_B2B-PH-K_1x02_P2.00mm_Vertical]  241.26 5.04 270 top
J6  Current Sensing  [JST_PH_B3B-PH-K_1x03_P2.00mm_Vertical]  61.41 239.12 270 top
J6#2  Current Sensing  [JST_PH_B3B-PH-K_1x03_P2.00mm_Vertical]  121.36 239.12 270 top
J6#3  Current Sensing  [JST_PH_B3B-PH-K_1x03_P2.00mm_Vertical]  181.31 239.12 270 top
J6#4  Current Sensing  [JST_PH_B3B-PH-K_1x03_P2.00mm_Vertical]  241.26 239.12 270 top
J6#5  Current Sensing  [JST_PH_B3B-PH-K_1x03_P2.00mm_Vertical]  61.41 197.13 270 top
J6#6  Current Sensing  [JST_PH_B3B-PH-K_1x03_P2.00mm_Vertical]  121.36 197.13 270 top
J6#7  Current Sensing  [JST_PH_B3B-PH-K_1x03_P2.00mm_Vertical]  181.31 197.13 270 top
J6#8  Current Sensing  [JST_PH_B3B-PH-K_1x03_P2.00mm_Vertical]  241.26 197.13 270 top
J6#9  Current Sensing  [JST_PH_B3B-PH-K_1x03_P2.00mm_Vertical]  61.41 155.14 270 top
J6#10  Current Sensing  [JST_PH_B3B-PH-K_1x03_P2.00mm_Vertical]  121.36 155.14 270 top
J6#11  Current Sensing  [JST_PH_B3B-PH-K_1x03_P2.00mm_Vertical]  181.31 155.14 270 top
J6#12  Current Sensing  [JST_PH_B3B-PH-K_1x03_P2.00mm_Vertical]  241.26 155.14 270 top
J6#13  Current Sensing  [JST_PH_B3B-PH-K_1x03_P2.00mm_Vertical]  61.41 113.15 270 top
J6#14  Current Sensing  [JST_PH_B3B-PH-K_1x03_P2.00mm_Vertical]  121.36 113.15 270 top
J6#15  Current Sensing  [JST_PH_B3B-PH-K_1x03_P2.00mm_Vertical]  181.31 113.15 270 top
J6#16  Current Sensing  [JST_PH_B3B-PH-K_1x03_P2.00mm_Vertical]  241.26 113.15 270 top
J6#17  Current Sensing  [JST_PH_B3B-PH-K_1x03_P2.00mm_Vertical]  61.41 71.16 270 top
J6#18  Current Sensing  [JST_PH_B3B-PH-K_1x03_P2.00mm_Vertical]  121.36 71.16 270 top
J6#19  Current Sensing  [JST_PH_B3B-PH-K_1x03_P2.00mm_Vertical]  181.31 71.16 270 top
J6#20  Current Sensing  [JST_PH_B3B-PH-K_1x03_P2.00mm_Vertical]  241.26 71.16 270 top
J6#21  Current Sensing  [JST_PH_B3B-PH-K_1x03_P2.00mm_Vertical]  61.41 29.17 270 top
J6#22  Current Sensing  [JST_PH_B3B-PH-K_1x03_P2.00mm_Vertical]  121.36 29.17 270 top
J6#23  Current Sensing  [JST_PH_B3B-PH-K_1x03_P2.00mm_Vertical]  181.31 29.17 270 top
J6#24  Current Sensing  [JST_PH_B3B-PH-K_1x03_P2.00mm_Vertical]  241.26 29.17 270 top
Q1  HYG025N06LS1C2  [PDFN-8]  48.71 236.58 0 top
Q1#2  HYG025N06LS1C2  [PDFN-8]  108.66 236.58 0 top
Q1#3  HYG025N06LS1C2  [PDFN-8]  168.61 236.58 0 top
Q1#4  HYG025N06LS1C2  [PDFN-8]  228.56 236.58 0 top
Q1#5  HYG025N06LS1C2  [PDFN-8]  48.71 194.59 0 top
Q1#6  HYG025N06LS1C2  [PDFN-8]  108.66 194.59 0 top
Q1#7  HYG025N06LS1C2  [PDFN-8]  168.61 194.59 0 top
Q1#8  HYG025N06LS1C2  [PDFN-8]  228.56 194.59 0 top
Q1#9  HYG025N06LS1C2  [PDFN-8]  48.71 152.6 0 top
Q1#10  HYG025N06LS1C2  [PDFN-8]  108.66 152.6 0 top
Q1#11  HYG025N06LS1C2  [PDFN-8]  168.61 152.6 0 top
Q1#12  HYG025N06LS1C2  [PDFN-8]  228.56 152.6 0 top
Q1#13  HYG025N06LS1C2  [PDFN-8]  48.71 110.61 0 top
Q1#14  HYG025N06LS1C2  [PDFN-8]  108.66 110.61 0 top
Q1#15  HYG025N06LS1C2  [PDFN-8]  168.61 110.61 0 top
Q1#16  HYG025N06LS1C2  [PDFN-8]  228.56 110.61 0 top
Q1#17  HYG025N06LS1C2  [PDFN-8]  48.71 68.62 0 top
Q1#18  HYG025N06LS1C2  [PDFN-8]  108.66 68.62 0 top
Q1#19  HYG025N06LS1C2  [PDFN-8]  168.61 68.62 0 top
Q1#20  HYG025N06LS1C2  [PDFN-8]  228.56 68.62 0 top
Q1#21  HYG025N06LS1C2  [PDFN-8]  48.71 26.63 0 top
Q1#22  HYG025N06LS1C2  [PDFN-8]  108.66 26.63 0 top
Q1#23  HYG025N06LS1C2  [PDFN-8]  168.61 26.63 0 top
Q1#24  HYG025N06LS1C2  [PDFN-8]  228.56 26.63 0 top
Q2  HYG025N06LS1C2  [PDFN-8]  48.71 230.73 0 top
Q2#2  HYG025N06LS1C2  [PDFN-8]  108.66 230.73 0 top
Q2#3  HYG025N06LS1C2  [PDFN-8]  168.61 230.73 0 top
Q2#4  HYG025N06LS1C2  [PDFN-8]  228.56 230.73 0 top
Q2#5  HYG025N06LS1C2  [PDFN-8]  48.71 188.74 0 top
Q2#6  HYG025N06LS1C2  [PDFN-8]  108.66 188.74 0 top
Q2#7  HYG025N06LS1C2  [PDFN-8]  168.61 188.74 0 top
Q2#8  HYG025N06LS1C2  [PDFN-8]  228.56 188.74 0 top
Q2#9  HYG025N06LS1C2  [PDFN-8]  48.71 146.75 0 top
Q2#10  HYG025N06LS1C2  [PDFN-8]  108.66 146.75 0 top
Q2#11  HYG025N06LS1C2  [PDFN-8]  168.61 146.75 0 top
Q2#12  HYG025N06LS1C2  [PDFN-8]  228.56 146.75 0 top
Q2#13  HYG025N06LS1C2  [PDFN-8]  48.71 104.76 0 top
Q2#14  HYG025N06LS1C2  [PDFN-8]  108.66 104.76 0 top
Q2#15  HYG025N06LS1C2  [PDFN-8]  168.61 104.76 0 top
Q2#16  HYG025N06LS1C2  [PDFN-8]  228.56 104.76 0 top
Q2#17  HYG025N06LS1C2  [PDFN-8]  48.71 62.77 0 top
Q2#18  HYG025N06LS1C2  [PDFN-8]  108.66 62.77 0 top
Q2#19  HYG025N06LS1C2  [PDFN-8]  168.61 62.77 0 top
Q2#20  HYG025N06LS1C2  [PDFN-8]  228.56 62.77 0 top
Q2#21  HYG025N06LS1C2  [PDFN-8]  48.71 20.78 0 top
Q2#22  HYG025N06LS1C2  [PDFN-8]  108.66 20.78 0 top
Q2#23  HYG025N06LS1C2  [PDFN-8]  168.61 20.78 0 top
Q2#24  HYG025N06LS1C2  [PDFN-8]  228.56 20.78 0 top
Q3  HYG025N06LS1C2  [PDFN-8]  48.71 219.57 0 top
Q3#2  HYG025N06LS1C2  [PDFN-8]  108.66 219.57 0 top
Q3#3  HYG025N06LS1C2  [PDFN-8]  168.61 219.57 0 top
Q3#4  HYG025N06LS1C2  [PDFN-8]  228.56 219.57 0 top
Q3#5  HYG025N06LS1C2  [PDFN-8]  48.71 177.58 0 top
Q3#6  HYG025N06LS1C2  [PDFN-8]  108.66 177.58 0 top
Q3#7  HYG025N06LS1C2  [PDFN-8]  168.61 177.58 0 top
Q3#8  HYG025N06LS1C2  [PDFN-8]  228.56 177.58 0 top
Q3#9  HYG025N06LS1C2  [PDFN-8]  48.71 135.59 0 top
Q3#10  HYG025N06LS1C2  [PDFN-8]  108.66 135.59 0 top
Q3#11  HYG025N06LS1C2  [PDFN-8]  168.61 135.59 0 top
Q3#12  HYG025N06LS1C2  [PDFN-8]  228.56 135.59 0 top
Q3#13  HYG025N06LS1C2  [PDFN-8]  48.71 93.6 0 top
Q3#14  HYG025N06LS1C2  [PDFN-8]  108.66 93.6 0 top
Q3#15  HYG025N06LS1C2  [PDFN-8]  168.61 93.6 0 top
Q3#16  HYG025N06LS1C2  [PDFN-8]  228.56 93.6 0 top
Q3#17  HYG025N06LS1C2  [PDFN-8]  48.71 51.61 0 top
